# Altium PCB PPG_sensor.PcbDoc (part 1 of 2)
Units mm, origin at the board's own origin, x right, y up, seen from the top; angles counter-clockwise.
Board outline 127.8 x 94.12 mm, 2 copper layers (Top Layer, Bottom Layer), stack 0.671 mm thick; 105 components, 109 nets, 309 pads, 529 vias.
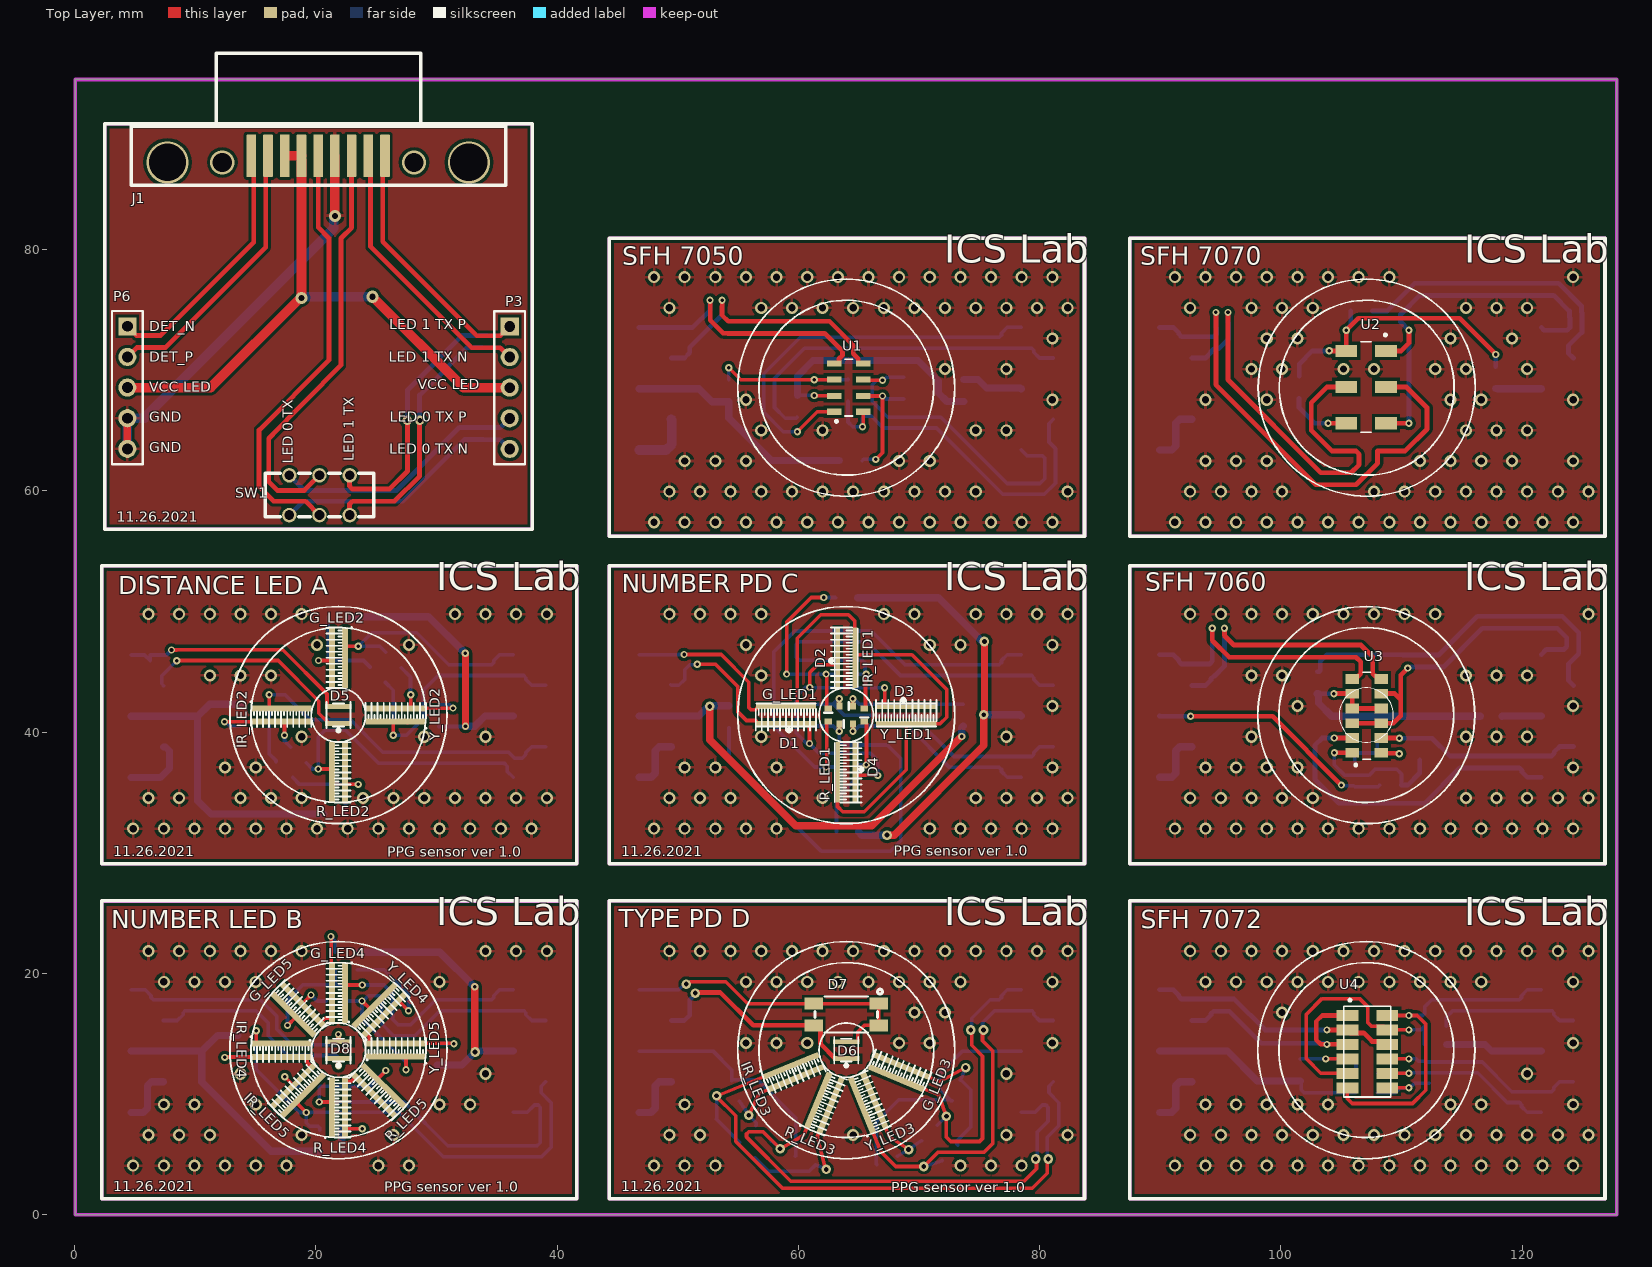
[diagram p0: Top Layer view]
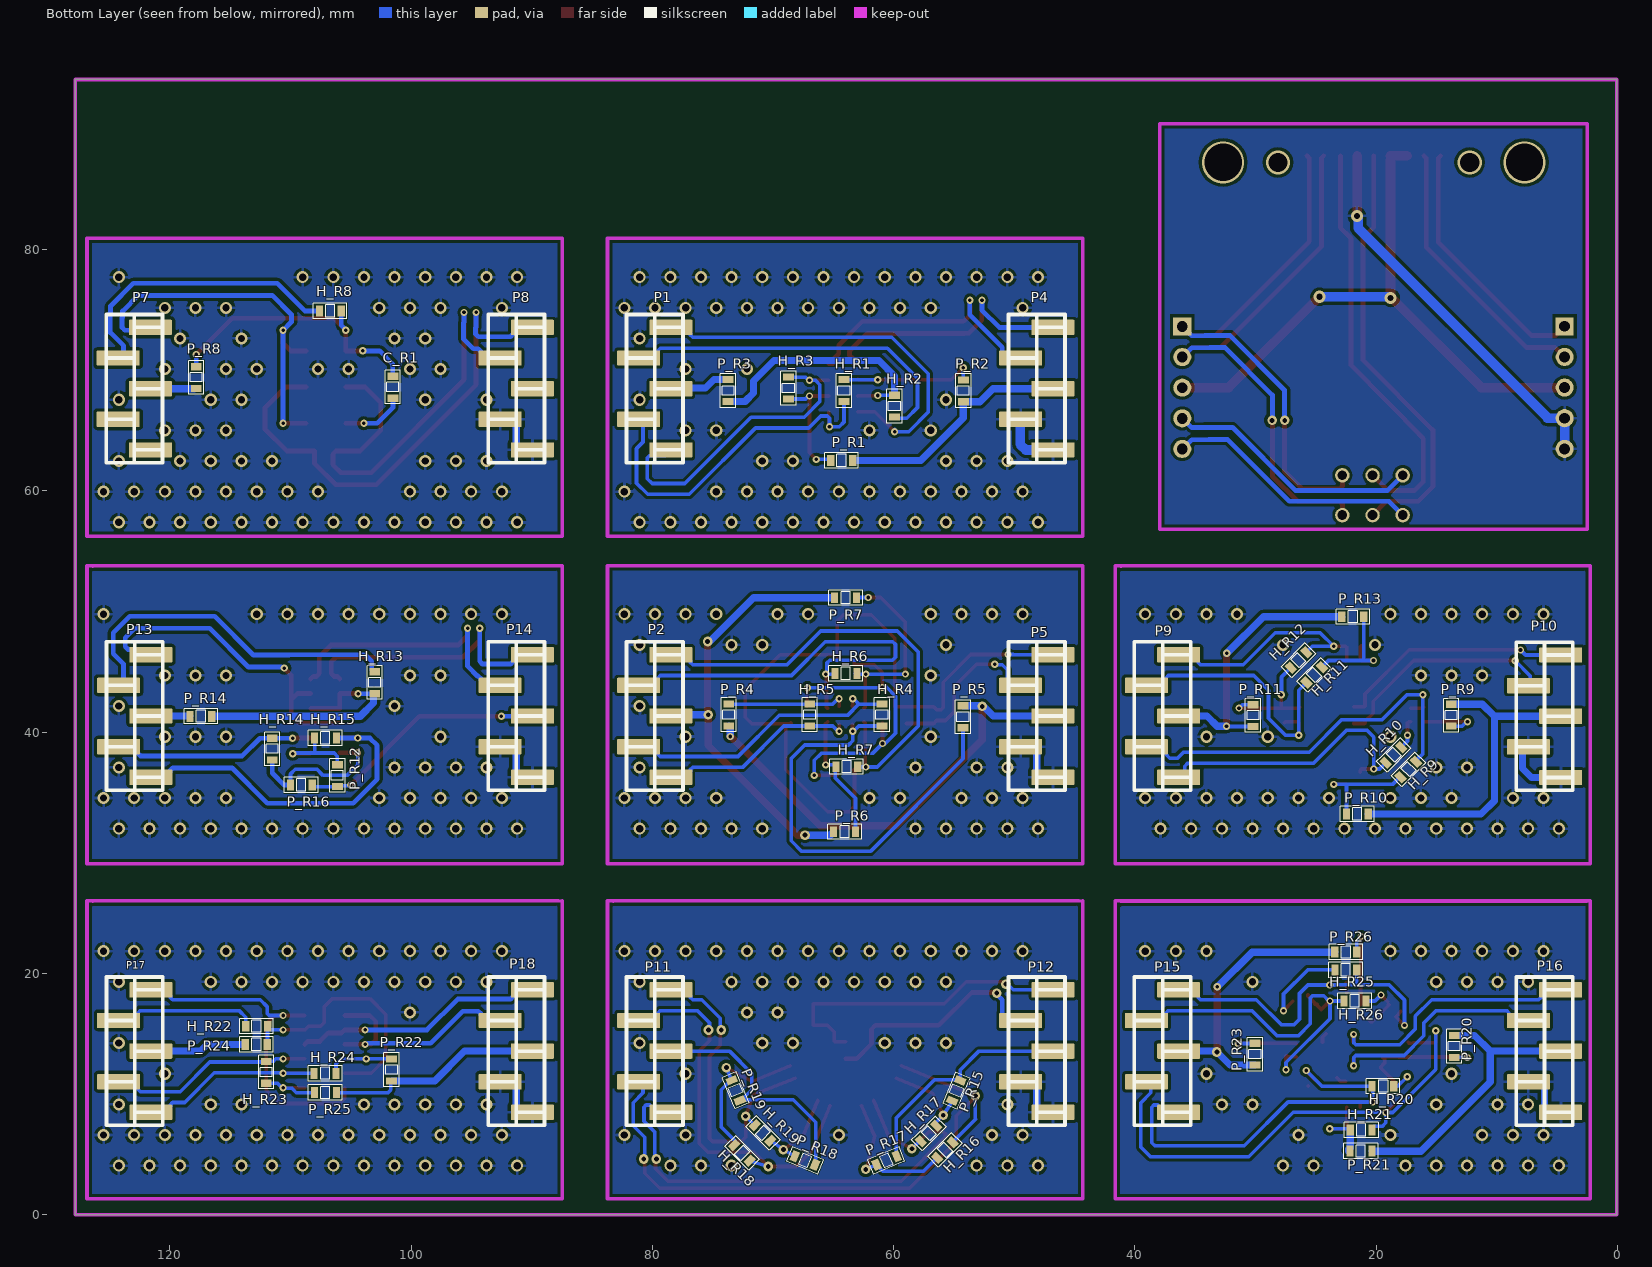
[diagram p1: Bottom Layer view, seen from below]
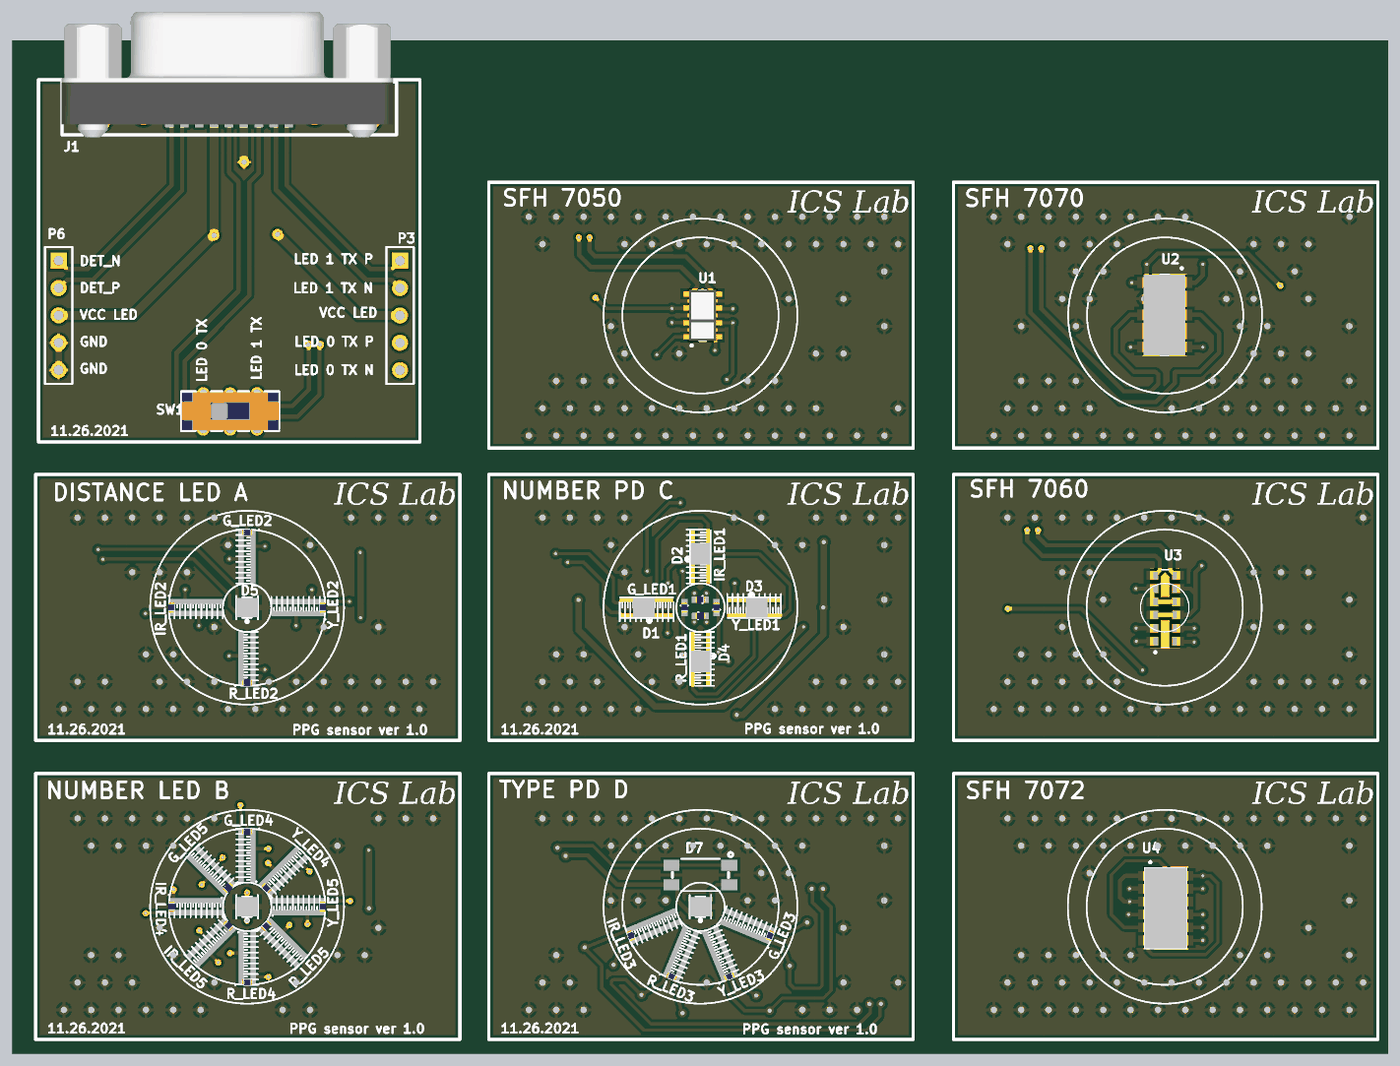
[diagram p3: 3D render of the assembled board from above, using the file's embedded part models]
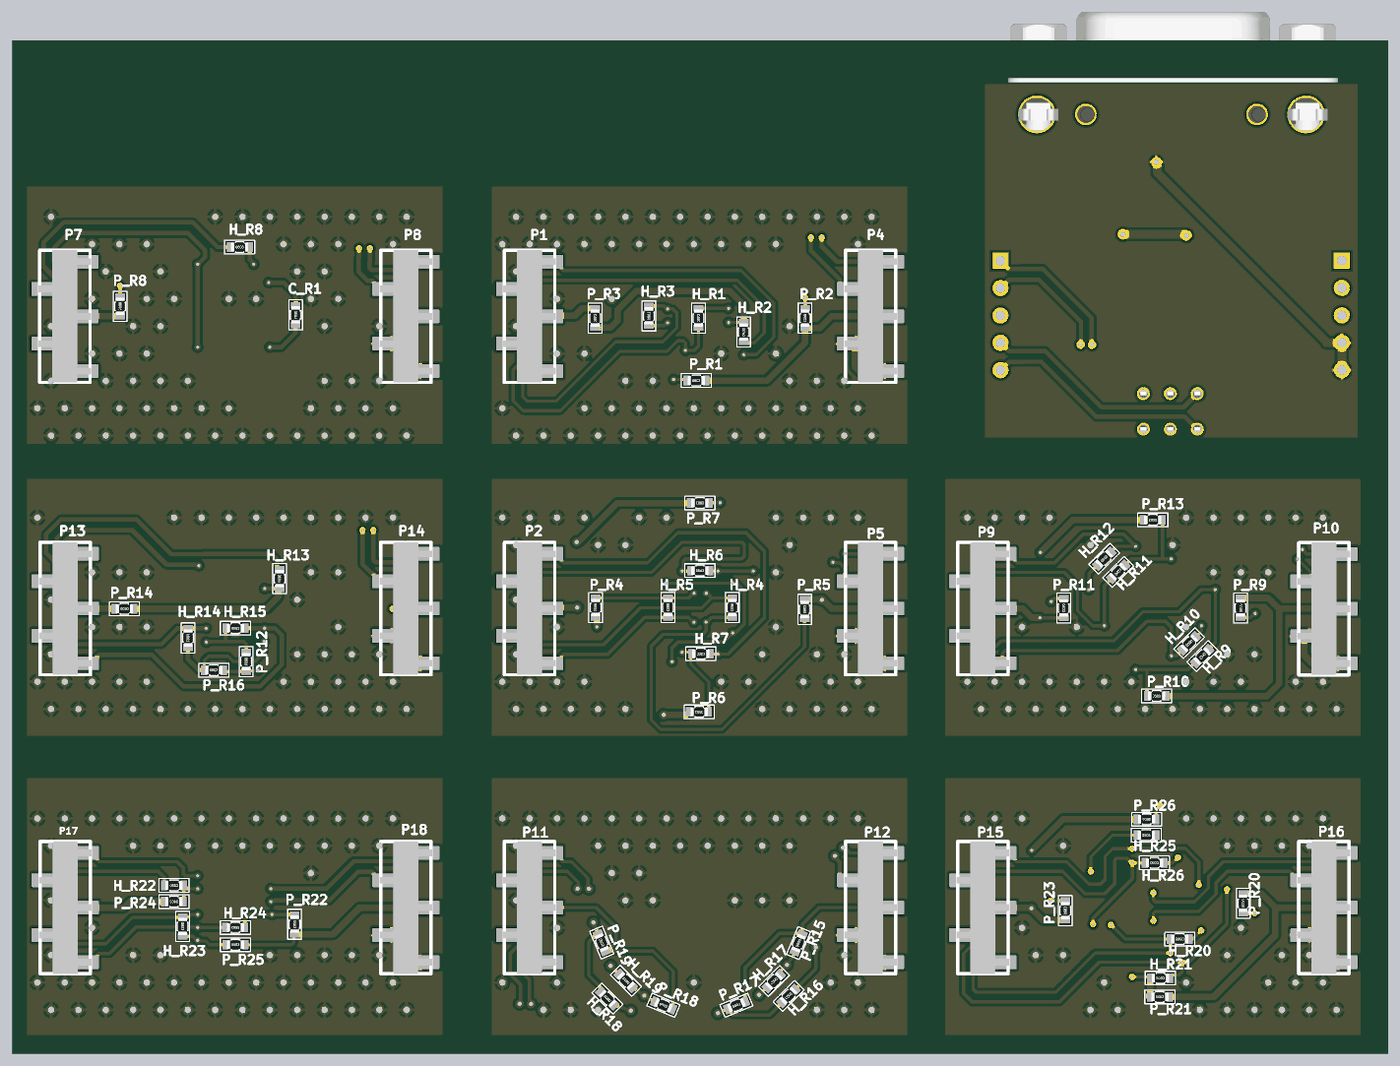
[diagram p4: 3D render of the assembled board from below, using the file's embedded part models]

## Layer stack, top to bottom
Top Solder: solder mask 0.0102, Solder Resist, Dk 3.5
Top Layer: signal copper 0.0356
Dielectric 1: dielectric 0.6, FR-4, Dk 4.8
Bottom Layer: signal copper 0.0356
Bottom Solder: solder mask 0.0102, Solder Resist, Dk 3.5

## Board outline
0.05,-0.025 0.05,94.1 27.5,94.1 85.5,94.1 127.85,94.1 127.85,-0.025

## Design rules (kind name [scope] priority, off if disabled: settings)
Clearance [All] p1: gap=0.254 ignorepadtopadclearanceinfootprint=FALSE except(0: Arc-Text Arc-Hole Track-Text Track-Hole SMDPad-Text SMDPad-Hole THPad-Text THPad-Hole Via-Text Via-Hole Fill-Text Fill-Hole Poly-Text Poly-Hole Region-Text Region-Hole Text-Text Text-Hole)
DiffPairsRouting "Schematic Differential Pairs Routing_15" [InNet('E_PD_DET_P')] p1: maxlimit=0.8 minlimit=0.3 mostfreqgap=0.6 toplayer_minwidth=0.381 toplayer_maxwidth=0.8 toplayer_prefwidth=0.6 bottomlayer_minwidth=0.381 bottomlayer_maxwidth=0.8 bottomlayer_prefwidth=0.6 maxuncoupledlength=12.7
DiffPairsRouting "Schematic Differential Pairs Routing_14" [InNet('F_PD_DET_P')] p2: maxlimit=0.8 minlimit=0.3 mostfreqgap=0.6 toplayer_minwidth=0.381 toplayer_maxwidth=0.8 toplayer_prefwidth=0.6 bottomlayer_minwidth=0.381 bottomlayer_maxwidth=0.8 bottomlayer_prefwidth=0.6 maxuncoupledlength=12.7
DiffPairsRouting "Schematic Differential Pairs Routing_13" [InNet('G_PD_DET_P')] p3: maxlimit=0.8 minlimit=0.3 mostfreqgap=0.6 toplayer_minwidth=0.381 toplayer_maxwidth=0.8 toplayer_prefwidth=0.6 bottomlayer_minwidth=0.381 bottomlayer_maxwidth=0.8 bottomlayer_prefwidth=0.6 maxuncoupledlength=12.7
DiffPairsRouting "Schematic Differential Pairs Routing_12" [InNet('H_PD_DET_P')] p4: maxlimit=0.8 minlimit=0.3 mostfreqgap=0.6 toplayer_minwidth=0.381 toplayer_maxwidth=0.8 toplayer_prefwidth=0.6 bottomlayer_minwidth=0.381 bottomlayer_maxwidth=0.8 bottomlayer_prefwidth=0.6 maxuncoupledlength=12.7
DiffPairsRouting "Schematic Differential Pairs Routing_11" [InNet('E_PD_DET_N')] p5: maxlimit=0.8 minlimit=0.3 mostfreqgap=0.6 toplayer_minwidth=0.4 toplayer_maxwidth=0.8 toplayer_prefwidth=0.6 bottomlayer_minwidth=0.4 bottomlayer_maxwidth=0.8 bottomlayer_prefwidth=0.6 maxuncoupledlength=12.7
DiffPairsRouting "Schematic Differential Pairs Routing_10" [InNet('F_PD_DET_N')] p6: maxlimit=0.8 minlimit=0.3 mostfreqgap=0.6 toplayer_minwidth=0.4 toplayer_maxwidth=0.8 toplayer_prefwidth=0.6 bottomlayer_minwidth=0.4 bottomlayer_maxwidth=0.8 bottomlayer_prefwidth=0.6 maxuncoupledlength=12.7
DiffPairsRouting "Schematic Differential Pairs Routing_5" [InNet('G_PD_DET_N')] p7: maxlimit=0.8 minlimit=0.3 mostfreqgap=0.6 toplayer_minwidth=0.4 toplayer_maxwidth=0.8 toplayer_prefwidth=0.6 bottomlayer_minwidth=0.4 bottomlayer_maxwidth=0.8 bottomlayer_prefwidth=0.6 maxuncoupledlength=12.7
DiffPairsRouting "Schematic Differential Pairs Routing_4" [InNet('H_PD_DET_N')] p8: maxlimit=0.8 minlimit=0.3 mostfreqgap=0.6 toplayer_minwidth=0.4 toplayer_maxwidth=0.8 toplayer_prefwidth=0.6 bottomlayer_minwidth=0.4 bottomlayer_maxwidth=0.8 bottomlayer_prefwidth=0.6 maxuncoupledlength=12.7
DiffPairsRouting "Schematic Differential Pairs Routing_9" [InNet('B_PD_DET_P')] p9: maxlimit=0.8 minlimit=0.3 mostfreqgap=0.6 toplayer_minwidth=0.381 toplayer_maxwidth=0.8 toplayer_prefwidth=0.6 bottomlayer_minwidth=0.381 bottomlayer_maxwidth=0.8 bottomlayer_prefwidth=0.6 maxuncoupledlength=12.7
DiffPairsRouting "Schematic Differential Pairs Routing_8" [InNet('C_PD_DET_P')] p10: maxlimit=0.8 minlimit=0.3 mostfreqgap=0.6 toplayer_minwidth=0.381 toplayer_maxwidth=0.8 toplayer_prefwidth=0.6 bottomlayer_minwidth=0.381 bottomlayer_maxwidth=0.8 bottomlayer_prefwidth=0.6 maxuncoupledlength=12.7
DiffPairsRouting "Schematic Differential Pairs Routing_7" [InNet('D_PD_DET_P')] p11: maxlimit=0.8 minlimit=0.3 mostfreqgap=0.6 toplayer_minwidth=0.381 toplayer_maxwidth=0.8 toplayer_prefwidth=0.6 bottomlayer_minwidth=0.381 bottomlayer_maxwidth=0.8 bottomlayer_prefwidth=0.6 maxuncoupledlength=12.7
DiffPairsRouting "Schematic Differential Pairs Routing_6" [InNet('B_PD_DET_N')] p12: maxlimit=0.8 minlimit=0.3 mostfreqgap=0.6 toplayer_minwidth=0.4 toplayer_maxwidth=0.8 toplayer_prefwidth=0.6 bottomlayer_minwidth=0.4 bottomlayer_maxwidth=0.8 bottomlayer_prefwidth=0.6 maxuncoupledlength=12.7
DiffPairsRouting "Schematic Differential Pairs Routing_3" [InNet('C_PD_DET_N')] p13: maxlimit=0.8 minlimit=0.3 mostfreqgap=0.6 toplayer_minwidth=0.4 toplayer_maxwidth=0.8 toplayer_prefwidth=0.6 bottomlayer_minwidth=0.4 bottomlayer_maxwidth=0.8 bottomlayer_prefwidth=0.6 maxuncoupledlength=12.7
DiffPairsRouting "Schematic Differential Pairs Routing_2" [InNet('D_PD_DET_N')] p14: maxlimit=0.8 minlimit=0.3 mostfreqgap=0.6 toplayer_minwidth=0.4 toplayer_maxwidth=0.8 toplayer_prefwidth=0.6 bottomlayer_minwidth=0.4 bottomlayer_maxwidth=0.8 bottomlayer_prefwidth=0.6 maxuncoupledlength=12.7
DiffPairsRouting "Schematic Differential Pairs Routing_1" [InNet('A_PD_DET_P')] p15: maxlimit=0.8 minlimit=0.3 mostfreqgap=0.6 toplayer_minwidth=0.381 toplayer_maxwidth=0.8 toplayer_prefwidth=0.6 bottomlayer_minwidth=0.381 bottomlayer_maxwidth=0.8 bottomlayer_prefwidth=0.6 maxuncoupledlength=12.7
DiffPairsRouting "Schematic Differential Pairs Routing" [InNet('A_PD_DET_N')] p16: maxlimit=0.8 minlimit=0.3 mostfreqgap=0.6 toplayer_minwidth=0.4 toplayer_maxwidth=0.8 toplayer_prefwidth=0.6 bottomlayer_minwidth=0.4 bottomlayer_maxwidth=0.8 bottomlayer_prefwidth=0.6 maxuncoupledlength=12.7
DiffPairsRouting [All] p17: maxlimit=0.8 minlimit=0.3 mostfreqgap=0.6 toplayer_minwidth=0.3 toplayer_maxwidth=0.8 toplayer_prefwidth=0.6 bottomlayer_minwidth=0.3 bottomlayer_maxwidth=0.8 bottomlayer_prefwidth=0.6 maxuncoupledlength=12.7
PolygonConnect [All] p1: connectstyle=Relief reliefconductorwidth=0.254 reliefentries=4 polygonreliefangle="90 Angle" airgapwidth=0.254
RoomDefinition PPG_sensor [InComponentClass('PPG_sensor')] p1: confinementstyle=ConfineIn formatcopy=TRUE lockcomponents=FALSE outline -25.625,-9.668 914.937,-9.668 914.937,183.375 -25.625,183.375
RoutingVias [All] p1: holewidth=0.4 width=0.8 viastyle="Through Hole" minholewidth=0.3 minwidth=0.6 maxholewidth=0.5 maxwidth=1
SolderMaskExpansion [All] p1: expansion=0.102 istentingtop=FALSE
SupplyNets "Schematic Supply Nets_25" [InNet('GND_A')] p1: voltage=0.000
SupplyNets "Schematic Supply Nets_24" [InNet('VDD_LED_A')] p2: voltage=0.000
SupplyNets "Schematic Supply Nets_23" [InNet('VDD_LED_E')] p3: voltage=0.000
SupplyNets "Schematic Supply Nets_22" [InNet('VDD_LED_C_0')] p4: voltage=0.000
SupplyNets "Schematic Supply Nets_21" [InNet('VDD_LED_H_0')] p5: voltage=0.000
SupplyNets "Schematic Supply Nets_20" [InNet('VDD_LED_A_0')] p6: voltage=0.000
SupplyNets "Schematic Supply Nets_19" [InNet('GND_B')] p7: voltage=0.000
SupplyNets "Schematic Supply Nets_18" [InNet('VDD_LED_D_0')] p8: voltage=0.000
SupplyNets "Schematic Supply Nets_17" [InNet('VDD_LED_F')] p9: voltage=0.000
SupplyNets "Schematic Supply Nets_16" [InNet('VDD_LED_E_0')] p10: voltage=0.000
SupplyNets "Schematic Supply Nets_15" [InNet('VDD_LED_F_0')] p11: voltage=0.000
SupplyNets "Schematic Supply Nets_14" [InNet('VDD_LED_H')] p12: voltage=0.000
SupplyNets "Schematic Supply Nets_13" [InNet('GND_F')] p13: voltage=0.000
SupplyNets "Schematic Supply Nets_12" [InNet('VDD_LED_C')] p14: voltage=0.000
SupplyNets "Schematic Supply Nets_11" [InNet('VDD_LED')] p15: voltage=0.000
SupplyNets "Schematic Supply Nets_10" [InNet('VDD_LED_G')] p16: voltage=0.000
SupplyNets "Schematic Supply Nets_9" [InNet('VDD_LED_B')] p17: voltage=0.000
SupplyNets "Schematic Supply Nets_8" [InNet('GND')] p18: voltage=0.000
SupplyNets "Schematic Supply Nets_7" [InNet('GND_G')] p19: voltage=0.000
SupplyNets "Schematic Supply Nets_6" [InNet('GND_C')] p20: voltage=0.000
SupplyNets "Schematic Supply Nets_5" [InNet('GND_H')] p21: voltage=0.000
SupplyNets "Schematic Supply Nets_4" [InNet('VDD_LED_D')] p22: voltage=0.000
SupplyNets "Schematic Supply Nets_3" [InNet('GND_E')] p23: voltage=0.000
SupplyNets "Schematic Supply Nets_2" [InNet('GND_D')] p24: voltage=0.000
SupplyNets "Schematic Supply Nets_1" [InNet('VDD_LED_B_0')] p25: voltage=0.000
SupplyNets "Schematic Supply Nets" [InNet('VDD_LED_G_0')] p26: voltage=0.000
Width [All] p1: maxlimit=0.8 minlimit=0.3 preferedwidth=0.6
29 further rules are at their usual default settings.

## Classes and differential pairs
differential pair H_TX_LED_1: +H_TX_LED_1_P -H_TX_LED_1_N
differential pair H_TX_LED_0: +H_TX_LED_0_P -H_TX_LED_0_N
differential pair H_PD_DET: +H_PD_DET_P -H_PD_DET_N
differential pair G_TX_LED_1: +G_TX_LED_1_P -G_TX_LED_1_N
differential pair G_TX_LED_0: +G_TX_LED_0_P -G_TX_LED_0_N
differential pair G_PD_DET: +G_PD_DET_P -G_PD_DET_N
differential pair F_TX_LED_1: +F_TX_LED_1_P -F_TX_LED_1_N
differential pair F_PD_DET: +F_PD_DET_P -F_PD_DET_N
differential pair E_TX_LED_1: +E_TX_LED_1_P -E_TX_LED_1_N
differential pair E_TX_LED_0: +E_TX_LED_0_P -E_TX_LED_0_N
differential pair E_PD_DET: +E_PD_DET_P -E_PD_DET_N
differential pair D_TX_LED_1: +D_TX_LED_1_P -D_TX_LED_1_N
differential pair D_TX_LED_0: +D_TX_LED_0_P -D_TX_LED_0_N
differential pair D_PD_DET: +D_PD_DET_P -D_PD_DET_N
differential pair C_TX_LED_1: +C_TX_LED_1_P -C_TX_LED_1_N
differential pair C_TX_LED_0: +C_TX_LED_0_P -C_TX_LED_0_N
differential pair C_PD_DET: +C_PD_DET_P -C_PD_DET_N
differential pair B_TX_LED_0: +B_TX_LED_0_P -B_TX_LED_0_N
differential pair B_TX_LED_1: +B_TX_LED_1_P -B_TX_LED_1_N
differential pair B_PD_DET: +B_PD_DET_P -B_PD_DET_N
differential pair DET: +DET_P -DET_N
differential pair TX_LED_A_0: +TX_LED_A_0_P -TX_LED_A_0_N
differential pair A_TX_LED_1: +A_TX_LED_1_P -A_TX_LED_1_N
differential pair A_TX_LED_0: +A_TX_LED_0_P -A_TX_LED_0_N
differential pair TX_LED_1: +TX_LED_1_P -TX_LED_1_N
differential pair TX_LED_0: +TX_LED_0_P -TX_LED_0_N
differential pair A_PD_DET: +A_PD_DET_P -A_PD_DET_N
